# Altium PCB PCB_3U_DDS.PcbDoc (part 8 of 12)
Units mil, origin at the board's own origin, x right, y up, seen from the top; angles counter-clockwise.
Board outline 6338.37 x 3937 mil, 6 copper layers (L1, P2, L3, L4, P5, L6), stack 64.885 mil thick; 954 components, 537 nets, 3358 pads, 2342 vias.
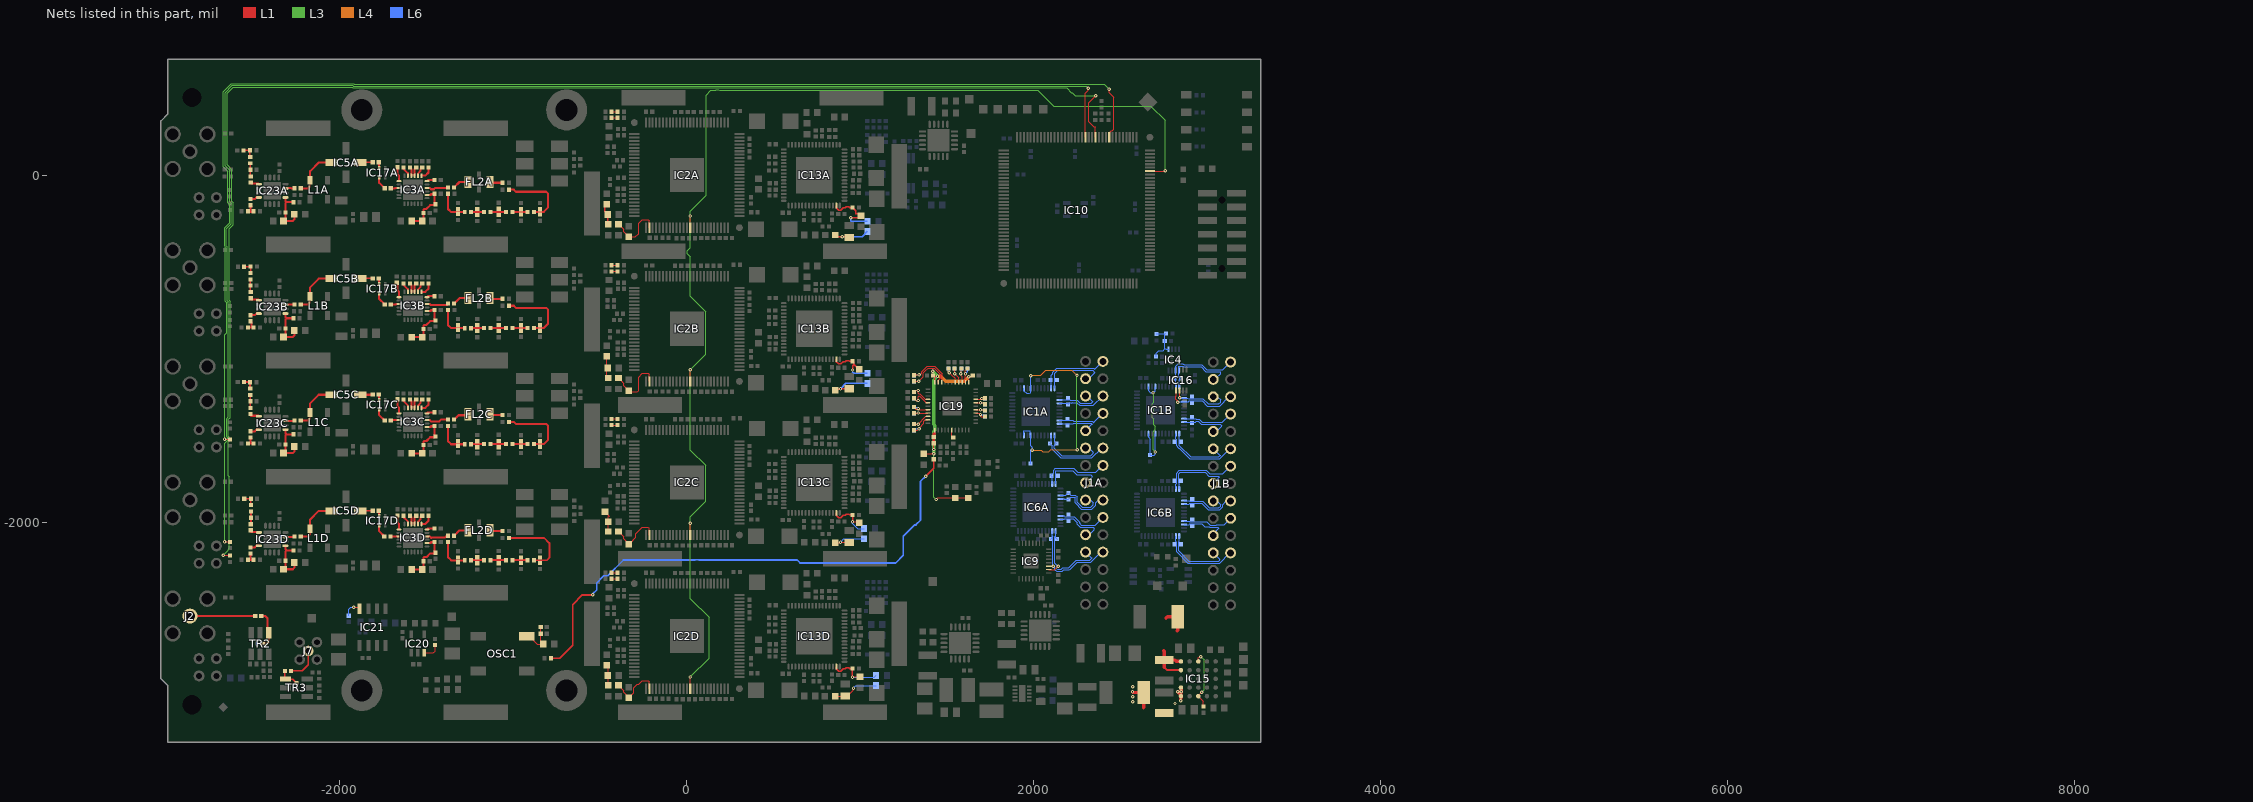
[diagram p12: the nets of this part, all layers, seen from the top]

## Via types
v1: diameter 19.68, hole 7.87, L1 to L6, tented both sides, 2254 vias
v2: diameter 23.62, hole 11.81, L1 to L6, tented both sides, 88 vias

## Nets (pads, with @x,y where several pads share a name; then routed paths per layer and width w, separated by ;. In a path a pad name is that pad's centre, name@x,y a point inside that pad or via, vN(x,y) a via of type N, cw(c..) or ccw(c..) an arc to the next point about the centre after c; other vN are vias at no path point) (continued)
LED5: IC10.117 R44.1 | length 7513.4
  L1 w5: v1(-2664.98,-1521.76) -2635.04,-1521.76 R44.1@-2633.86,-1522.94 ; v1(2433.86,496.17) 2435.04,494.99 2435.04,474.13 2460.7,448.47 2460.7,264.88 2451.26,255.43 2445.71,255.43 2435.04,244.76 IC10.117@2435.04,218.4
  L3 w5: v1(-2664.98,-1521.76) -2663.8,-1520.57 -2663.8,-1098.54 -2664.8,-1097.53 -2664.8,-920.81 -2652.81,-908.82 -2652.81,-734.9 -2660.83,-726.88 -2660.83,-414.51 -2664.8,-410.54 -2664.8,-304.22 -2635.89,-275.3 -2635.89,-167.71 -2645.83,-157.77 -2645.83,23.11 -2672.19,49.47 -2672.19,480.83 -2625.22,527.79 -1920.7,527.79 -1917.35,524.45 1.14,524.45 34.55,524.47 2405.59,524.45 v1(2433.86,496.17)
LED6: IC10.121 R25.1 | length 8072.5
  L1 w5: v1(-2673.23,-2191.05) -2672.05,-2192.23 R25.1@-2633.86,-2192.23 ; IC10.121@2356.3,218.4 2355.53,219.17 2355.53,276.76 2354.64,277.66 2346.82,277.66 2316,308.47 2316,416.39 v1(2356.44,456.83)
  L3 w5: v1(-2673.23,-2191.05) -2644.96,-2162.78 -2644.96,-2158.62 -2636.8,-2150.46 -2636.8,-1739.53 -2642.84,-1733.49 -2642.84,-1538.28 -2637.64,-1533.08 -2637.64,-1510.43 -2642.84,-1505.23 -2642.84,-1408.48 -2632.81,-1398.46 -2632.81,-726.61 -2638.86,-720.57 -2638.86,-309.8 -2615.89,-286.82 -2615.89,-159.43 -2623.86,-151.45 -2623.86,32.21 -2650.22,58.57 -2650.22,471.73 -2616.12,505.82 -1929.8,505.82 -1926.45,502.48 10.24,502.48 25.45,502.5 166.1,502.48 2189.51,502.5 2217.23,474.78 2222.07,474.78 2240.02,456.83 v1(2356.44,456.83)
LED7: IC10.124 R26.1 | length 7951.7
  L1 w5: v1(-2664.98,-2112.31) -2635.04,-2112.31 R26.1@-2633.86,-2113.49 ; IC10.124@2297.24,218.4 2297.24,473.56 2312.99,489.3 v1(2312.99,501.97)
  L3 w5: v1(-2664.98,-2112.31) -2664.98,-1546.28 -2647.64,-1528.94 -2647.64,-1514.57 -2652.84,-1509.37 -2652.84,-1402.95 -2642.81,-1392.93 -2642.81,-730.75 -2649.85,-723.72 -2649.85,-409.96 -2653.82,-405.99 -2653.82,-308.77 -2625.89,-280.84 -2625.89,-163.57 -2634.85,-154.61 -2634.85,27.66 -2661.2,54.02 -2661.2,476.28 -2620.67,516.81 -1925.25,516.81 -1921.9,513.46 5.69,513.46 ; 5.72,513.48 30,513.48 ; 30.02,513.46 2301.49,513.46 v1(2312.99,501.97)
LOOP_FILTER1A: C112A.2 IC2A.2 R90A.2 | length 330.9
  L1 w5: R90A.2@-393.7,-283.46 -364.17,-312.99 -364.17,-326.77 C112A.2@-334.65,-356.3 ; C112A.2@-329.72,-351.38 -324.8,-356.3 -297.24,-356.3 -277.62,-336.68 -277.62,-278.65 -255.97,-256.99 -221.46,-256.99 -216.54,-261.91 IC2A.2@-216.54,-303.15
LOOP_FILTER1B: C112B.2 IC2B.2 R90B.2 | length 354.6
  L1 w5: R90B.2@-393.7,-1169.29 -370.42,-1192.58 -372.39,-1192.58 -364.17,-1200.79 -364.17,-1212.6 C112B.2@-334.65,-1242.13 -326.77,-1250 -285.43,-1250 -277.62,-1242.19 -277.62,-1164.47 -255.97,-1142.82 -221.46,-1142.82 -216.54,-1147.74 IC2B.2@-216.54,-1188.98
LOOP_FILTER1C: C112C.2 IC2C.2 R90C.2 | length 314.7
  L1 w5: R90C.2@-393.7,-2055.12 -364.17,-2084.65 -364.17,-2096.46 -334.65,-2125.98 C112C.2@-334.65,-2127.95 -310.38,-2103.68 -312.35,-2103.68 -295.28,-2086.61 -295.28,-2067.95 -255.97,-2028.65 -221.46,-2028.65 -216.54,-2033.57 IC2C.2@-216.54,-2074.8
LOOP_FILTER1D: C112D.2 IC2D.2 R90D.2 | length 311.5
  L1 w5: R90D.2@-383.86,-2942.91 -383.86,-2952.76 -364.17,-2972.44 -364.17,-2982.28 -334.65,-3011.81 C112D.2@-334.65,-3013.78 -305.12,-2984.25 -305.12,-2954.06 -287.18,-2936.13 -277.62,-2936.13 -255.97,-2914.47 -221.46,-2914.47 -216.54,-2919.39 IC2D.2@-216.54,-2960.63
LOOP_FILTERA: C30A.2 IC13A.31 R89A.1 R140A.2 | length 385.2
  L1 w8: IC13A.31@861.81,-175.2 861.81,-188.98 874.75,-201.91 888.08,-201.91 900.81,-189.18 911.89,-189.18 917.79,-183.28 936.61,-183.28 936.61,-187.11 R89A.1@955.91,-187.11 972.89,-204.1 972.89,-221.34 972.12,-222.12 991.8,-222.12 C30A.2@1003.94,-234.25 1003.94,-236.22 994.09,-246.06 v1(944.88,-246.06)
  L6 w8: v1(944.88,-246.06) 944.88,-265.75 R140A.2@1041.34,-265.75
LOOP_FILTERB: C30B.2 IC13B.31 R89B.1 R140B.2 | length 315.1
  L1 w8: IC13B.31@861.81,-1061.02 861.81,-1074.8 874.75,-1087.74 888.08,-1087.74 900.81,-1075.01 911.89,-1075.01 917.79,-1069.11 936.61,-1069.11 936.61,-1072.94 R89B.1@955.91,-1072.94 962,-1079.03 962,-1091.05 ; v1(955,-1123) 956,-1122 956,-1100 962,-1094 962,-1091.05 ; C30B.2@994.09,-1120.08 991.03,-1120.08 962,-1091.05
  L6 w8: v1@954.72,-1131.89 964.57,-1141.73 R140B.2@1041.34,-1141.73
LOOP_FILTERC: C30C.2 IC13C.31 R89C.1 R140C.2 | length 283
  L1 w6: v1(954.72,-1998.03) 976.38,-1998.03 C30C.2@984.25,-2005.91
  L1 w8: IC13C.31@861.81,-1946.85 861.81,-1960.63 874.75,-1973.57 888.08,-1973.57 900.81,-1960.83 911.89,-1960.83 917.79,-1954.94 936.61,-1954.94 936.61,-1958.76 R89C.1@955.91,-1958.76 v1@955.91,-1995.18
  L6 w6: v1(954.72,-1998.03) 954.72,-2007.87 984.25,-2037.4 R140C.2@1021.65,-2037.4
LOOP_FILTERD: C30D.2 IC13D.31 R89D.1 R140D.2 | length 344.6
  L1 w6: v1(954.72,-2893.7) 956.69,-2891.73 C30D.2@984.25,-2891.73
  L1 w8: IC13D.31@861.81,-2832.68 861.81,-2846.46 874.75,-2859.39 888.08,-2859.39 900.81,-2846.66 911.89,-2846.66 917.79,-2840.76 936.61,-2840.76 936.61,-2844.59 R89D.1@955.91,-2844.59 954.72,-2845.77 v1(954.72,-2893.7)
  L6 w6: v1(954.72,-2893.7) 1080.71,-2893.7 R140D.2@1090.55,-2883.86
LVDS0A_N: IC1A.48 J1A.3 R7A.2 | length 399.3
  L6 w6: IC1A.48@2120.08,-1228.45 2120.08,-1181.2 2120.08,-1145.72 2120.17,-1145.62 2120.17,-1141.83 2137.17,-1124.83 2148.58,-1124.83 2148.84,-1124.56 2164.44,-1124.56 2164.7,-1124.83 2275.61,-1124.83 2276.57,-1125.78 2339.81,-1125.78 2351.82,-1137.79 2351.87,-1137.79 2316.36,-1173.3 J1A.3@2298.31,-1173.3
LVDS0A_P: IC1A.47 J1A.2 R7A.1 | length 416.9
  L6 w6: IC1A.47@2100.39,-1228.45 2100.39,-1181.2 2100.39,-1153.4 2108.08,-1145.72 2108.08,-1140.75 2108.17,-1140.65 2108.17,-1136.86 2132.2,-1112.83 2143.61,-1112.83 2143.87,-1112.56 2169.41,-1112.56 2169.67,-1112.83 2280.59,-1112.83 2281.54,-1113.78 2344.78,-1113.78 2350.34,-1119.34 2352.27,-1119.34 J1A.2@2398.31,-1073.3
LVDS0B_N: IC1B.48 IC4.5 J1B.3 R7B.2 | length 443.6
  L6 w6: IC1B.48@2838.58,-1218.61 2838.58,-1180.02 R7B.2@2847.24,-1171.36 2836.61,-1160.73 IC4.5@2836.61,-1126.09 2836.61,-1102.68 2858.73,-1102.68 2861.93,-1105.88 2964.5,-1105.88 2989.15,-1130.53 2992.67,-1134.05 3076.38,-1134.05 3076.38,-1144.28 3051.99,-1168.67 3041.76,-1168.67 3041.76,-1170.55 J1B.3@3034.65,-1177.66
LVDS0B_P: IC1B.47 IC4.6 J1B.2 R7B.1 | length 480.7
  L6 w6: IC1B.47@2818.9,-1218.61 2818.9,-1180.02 R7B.1@2810.24,-1171.36 2816.93,-1164.67 IC4.6@2816.93,-1126.09 2816.93,-1101.19 2831.64,-1086.48 2841.58,-1086.48 2841.92,-1086.82 2858.43,-1086.82 2862.29,-1090.68 2863.7,-1090.68 2866.9,-1093.88 2969.47,-1093.88 2997.64,-1122.05 3090.26,-1122.05 J1B.2@3134.65,-1077.66
LVDS1A_N: IC1A.4 J1A.6 R9A.2 | length 299.7
  L6 w6: IC1A.4@2147.64,-1315.06 2197.3,-1315.06 R9A.2@2204.05,-1315.06 ; R9A.2@2197.3,-1321.81 R9A.2@2204.05,-1315.06 ; 2217.98,-1315.06 2222.22,-1310.83 ; 2223.74,-1309.3 2222.22,-1310.83 ; J1A.6@2398.31,-1273.3 2343.78,-1327.83 2263.86,-1327.83 2246.86,-1310.83 2222.22,-1310.83 ; R9A.2@2204.05,-1315.06 2208.28,-1310.83 2222.22,-1310.83
LVDS1A_P: IC1A.3 J1A.5 R9A.1 | length 263.2
  L6 w6: IC1A.3@2147.64,-1295.38 2197.3,-1295.38 2207.88,-1295.38 2211.33,-1298.83 2217.24,-1298.83 2218.77,-1297.3 2240.6,-1297.3 2242.13,-1298.83 2251.83,-1298.83 2268.83,-1315.83 2331.83,-1315.83 2340.87,-1306.79 2307.39,-1273.3 J1A.5@2298.31,-1273.3
LVDS1B_N: IC1B.4 IC16.5 J1B.6 R9B.2 | length 424.6
  L1 w6: IC16.5@2820.47,-1242.13 2820.47,-1273.91 2818.81,-1275.56 2818.81,-1291.17 2832.99,-1305.35 2836.69,-1309.05 v1(2829.29,-1309.05)
  L6 w6: v1(2829.29,-1309.05) 2830.31,-1309.05 2834.14,-1305.22 IC1B.4@2866.14,-1305.22 2892.87,-1305.22 ; 2892.87,-1303.79 2895.28,-1301.38 2912.4,-1301.38 2970.28,-1301.38 2999.8,-1330.9 3071.51,-1330.9 3124.74,-1277.66 J1B.6@3134.65,-1277.66
LVDS1B_P: IC1B.3 IC16.6 J1B.5 R9B.1 | length 366.6
  L1 w6: v1@2840.16,-1285.48 2840.16,-1284.18 IC16.6@2840.16,-1242.13
  L6 w6: v1(2840.74,-1284.18) 2838.91,-1284.18 2837.55,-1285.54 2840.74,-1285.54 IC1B.3@2866.14,-1285.54 2888.87,-1285.54 2892.72,-1289.38 2912.4,-1289.38 2975.25,-1289.38 3004.77,-1318.9 3066.54,-1318.9 3076.38,-1309.06 3076.38,-1295.29 3058.75,-1277.66 J1B.5@3034.65,-1277.66
LVDS2A_N: IC1A.10 J1A.9 R11A.2 | length 248.8
  L6 w6: IC1A.10@2147.64,-1433.17 2194.88,-1433.17 2227.61,-1433.17 2230.46,-1430.32 2331.35,-1430.32 2337.86,-1436.83 2334.78,-1436.83 J1A.9@2298.31,-1473.3
LVDS2A_P: IC1A.9 J1A.8 R11A.1 | length 281.4
  L6 w6: IC1A.9@2147.64,-1413.49 2194.88,-1413.49 2225.64,-1413.49 2230.46,-1418.32 2336.32,-1418.32 2346.34,-1428.34 2346.34,-1425.26 J1A.8@2398.31,-1373.3
LVDS2B_N: IC1B.10 J1B.9 R11B.2 | length 294.4
  L6 w6: IC1B.10@2866.14,-1423.33 2911.42,-1423.33 2933.33,-1423.33 2936.87,-1419.79 ; 2936.87,-1419.49 2948.43,-1419.49 2965.94,-1437.01 3075.3,-1437.01 3083.87,-1445.58 3083.87,-1448.79 3055,-1477.66 J1B.9@3034.65,-1477.66
LVDS2B_P: IC1B.9 J1B.8 R11B.1 | length 296.7
  L6 w6: IC1B.9@2866.14,-1403.65 2911.42,-1403.65 2934.73,-1403.65 2937.87,-1406.79 ; 2937.87,-1407.49 2953.4,-1407.49 2970.92,-1425.01 3087.3,-1425.01 J1B.8@3134.65,-1377.66
LVDS3A_N: IC1A.14 J1A.12 R13A.2 | length 424.7
  L6 w6: IC1A.14@2100.39,-1500.1 2100.39,-1538.69 R13A.2@2092.72,-1546.36 2105.22,-1558.87 2105.22,-1578.8 2156.25,-1629.83 2333.83,-1629.83 2390.35,-1573.3 J1A.12@2398.31,-1573.3
LVDS3A_P: IC1A.13 J1A.11 R13A.1 | length 394.7
  L6 w6: IC1A.13@2120.08,-1500.1 2120.08,-1536.72 R13A.1@2129.72,-1546.36 2117.22,-1558.87 2117.22,-1573.83 2161.22,-1617.83 2328.86,-1617.83 2343.86,-1602.83 2343.86,-1597.77 2319.39,-1573.3 J1A.11@2298.31,-1573.3
LVDS3B_N: IC1B.14 J1B.12 R13B.2 | length 439.3
  L6 w6: IC1B.14@2818.9,-1490.26 2818.9,-1518.85 2822.74,-1522.69 2822.74,-1537.5 2822.74,-1560.09 2829.87,-1567.22 2829.87,-1567.76 2836.9,-1574.79 2837.44,-1574.79 2898.67,-1636.02 3071.51,-1636.02 3129.86,-1577.66 J1B.12@3134.65,-1577.66
LVDS3B_P: IC1B.13 J1B.11 R13B.1 | length 394.4
  L6 w6: IC1B.13@2838.58,-1490.26 2838.58,-1537.5 2838.58,-1558.96 2903.64,-1624.02 3066.54,-1624.02 3076.38,-1614.17 3071.16,-1614.17 J1B.11@3034.65,-1577.66
LVDS4A_N: IC6A.48 J1A.15 R16A.2 | length 360.3
  L6 w6: IC6A.48@2125.98,-1779.63 2125.98,-1732.39 2125.98,-1705.92 2126.99,-1704.92 2129.08,-1702.83 2224.86,-1702.83 2247.86,-1725.83 2328.91,-1725.83 2337.87,-1734.79 2337.87,-1742.79 2307.36,-1773.3 J1A.15@2298.31,-1773.3
LVDS4A_P: IC6A.47 J1A.14 R16A.1 | length 400.8
  L6 w6: IC6A.47@2106.3,-1779.63 2106.3,-1751.04 2106,-1751.04 2106,-1736.81 R16A.1@2101.57,-1732.39 2101.57,-1727.09 2113.98,-1714.68 2113.98,-1700.95 2114.08,-1700.86 2124.11,-1690.83 2229.83,-1690.83 2252.83,-1713.83 2357.78,-1713.83 J1A.14@2398.31,-1673.3
LVDS4B_N: IC6B.48 J1B.15 R16B.2 | length 395
  L6 w6: IC6B.48@2838.58,-1809.16 2838.58,-1780.57 2834.74,-1776.72 2834.74,-1761.91 2834.74,-1722.44 2844.58,-1712.6 2987.8,-1712.6 3009.64,-1734.44 3067.18,-1734.44 3072.52,-1739.79 J1B.15@3034.65,-1777.66
LVDS4B_P: IC6B.47 J1B.14 R16B.1 | length 439.8
  L6 w6: IC6B.47@2818.9,-1809.16 2818.9,-1780.57 2822.74,-1776.72 2822.74,-1761.91 2822.74,-1717.47 2839.61,-1700.6 2992.77,-1700.6 3014.61,-1722.44 3089.87,-1722.44 J1B.14@3134.65,-1677.66
LVDS5A_N: IC6A.4 J1A.18 R21A.2 | length 335.7
  L6 w6: IC6A.4@2153.54,-1866.24 2182.13,-1866.24 2179.38,-1869 ; 2176.72,-1869 2179.38,-1869 ; J1A.18@2398.31,-1873.3 2372.38,-1873.3 2355.86,-1889.83 2355.86,-1903.8 2333.83,-1925.83 2273.89,-1925.83 2237.86,-1889.8 2237.86,-1859.5 2234.86,-1856.5 2212.31,-1856.5 R21A.2@2199.8,-1869 2179.38,-1869
LVDS5A_P: IC6A.3 J1A.17 R21A.1 | length 315.6
  L6 w6: IC6A.3@2153.54,-1846.56 2185.24,-1846.56 R21A.1@2199.8,-1831.99 2212.31,-1844.5 2239.83,-1844.5 2249.86,-1854.53 2249.86,-1884.83 2278.86,-1913.83 2328.86,-1913.83 2343.86,-1898.83 2343.86,-1889.83 2327.33,-1873.3 J1A.17@2298.31,-1873.3
LVDS5B_N: IC6B.4 J1B.18 R21B.2 | length 314.2
  L6 w6: IC6B.4@2866.14,-1895.77 2894.73,-1895.77 2898.57,-1891.93 2913.39,-1891.93 2968.11,-1891.93 3005.31,-1929.13 3071.51,-1929.13 3088.38,-1912.26 3088.38,-1899.61 3110.32,-1877.66 J1B.18@3134.65,-1877.66
LVDS5B_P: IC6B.3 J1B.17 R21B.1 | length 289.8
  L6 w6: IC6B.3@2866.14,-1876.09 2894.73,-1876.09 2898.57,-1879.93 2913.39,-1879.93 2973.08,-1879.93 3010.29,-1917.13 3066.54,-1917.13 3076.38,-1907.29 3076.38,-1899.61 3054.43,-1877.66 J1B.17@3034.65,-1877.66
LVDS6A_N: IC6A.10 J1A.21 R24A.2 | length 296
  L6 w6: IC6A.10@2153.54,-1984.35 2175.31,-1984.35 2179.15,-1980.51 2199.8,-1980.51 2227.86,-1980.51 2251.86,-2004.51 2251.86,-2011.8 2268.89,-2028.83 2342.91,-2028.83 2348.87,-2034.79 2348.87,-2044.79 2320.36,-2073.3 J1A.21@2298.31,-2073.3
LVDS6A_P: IC6A.9 J1A.20 R24A.1 | length 288.7
  L6 w6: IC6A.9@2153.54,-1964.67 2174.76,-1964.67 2178.6,-1968.51 2199.8,-1968.51 2232.83,-1968.51 2263.86,-1999.54 2263.86,-2006.83 2273.86,-2016.83 2354.78,-2016.83 J1A.20@2398.31,-1973.3
LVDS6B_N: IC6B.10 J1B.21 R24B.2 | length 268.7
  L6 w6: IC6B.10@2866.14,-2013.88 2894.73,-2013.88 2898.57,-2010.04 2913.39,-2010.04 2968.11,-2010.04 2985.63,-2027.56 3010.33,-2027.56 3012.91,-2030.14 3061.23,-2030.14 3067.51,-2036.43 3034.65,-2069.29 J1B.21@3034.65,-2077.66
LVDS6B_P: IC6B.9 J1B.20 R24B.1 | length 295.2
  L6 w6: IC6B.9@2866.14,-1994.2 2894.73,-1994.2 2898.57,-1998.04 2913.39,-1998.04 2997.78,-1998.04 3017.88,-2018.14 3051.42,-2018.14 3054,-2015.56 3096.75,-2015.56 J1B.20@3134.65,-1977.66
LVDS7A_N: IC6A.14 IC9.11 J1A.24 R35A.2 | length 599.3
  L1 w6: IC9.11@2086.22,-2253.94 v1(2111.81,-2253.94)
  L6 w6: R35A.2@2097.64,-2097.54 2106.3,-2088.88 2106.3,-2079.87 ; IC6A.14@2106.3,-2051.28 2106.3,-2079.87 ; v1@2110.14,-2249.55 2110.14,-2097.54 2110.14,-2083.72 2106.3,-2079.87 ; v1@2113.17,-2252.58 2120.87,-2260.29 2120.87,-2273.76 2131.9,-2284.79 2162.84,-2284.79 2171.85,-2275.78 2205.65,-2275.78 2209.17,-2272.26 2249.61,-2231.83 2328.83,-2231.83 2387.35,-2173.3 J1A.24@2398.31,-2173.3
LVDS7A_P: IC6A.13 IC9.10 J1A.23 R35A.1 | length 593.7
  L1 w6: IC9.10@2086.22,-2273.62 2121.65,-2273.62 v1(2141.34,-2253.94)
  L6 w6: IC6A.13@2125.98,-2051.28 2125.98,-2079.87 ; R35A.1@2134.65,-2097.54 2125.98,-2088.88 2125.98,-2079.87 ; v1@2135.87,-2258.79 2132.87,-2261.79 2132.87,-2268.79 2136.87,-2272.79 2157.87,-2272.79 2166.88,-2263.78 2200.68,-2263.78 2244.64,-2219.83 2323.86,-2219.83 2337.86,-2205.83 2330.83,-2205.83 J1A.23@2298.31,-2173.3 ; v1@2138.09,-2253.57 2122.14,-2237.62 2122.14,-2097.54 2122.14,-2083.72 2125.98,-2079.87
LVDS7B_N: IC6B.14 J1B.24 R35B.2 | length 454.7
  L6 w6: IC6B.14@2818.9,-2080.81 2818.9,-2109.4 2822.74,-2113.24 2822.74,-2128.24 2822.74,-2170.32 2888.82,-2236.41 3071.51,-2236.41 3130.26,-2177.66 J1B.24@3134.65,-2177.66
LVDS7B_P: IC6B.13 J1B.23 R35B.1 | length 406.5
  L6 w6: IC6B.13@2838.58,-2080.81 2838.58,-2109.4 2834.74,-2113.24 2834.74,-2128.24 2834.74,-2165.35 2893.8,-2224.41 3066.54,-2224.41 3071.56,-2219.39 3071.56,-2214.57 J1B.23@3034.65,-2177.66
MASTER_RESET: IC2A.14 IC2B.14 IC2C.14 IC2D.14 IC10.102 | length 7034
  L1 w5.98: IC2D.14@19.69,-2960.63 v1(19.69,-2892.82) ; IC2C.14@19.69,-2074.8 v1(19.69,-2006.99) ; IC2B.14@19.69,-1188.98 v1(19.69,-1121.17) ; IC2A.14@19.69,-303.15 v1(19.69,-235.34) ; IC10.102@2669.29,23.52 2754.52,23.52 v1(2757,26)
  L3 w5.98: v1(19.69,-2892.82) 127.95,-2784.55 127.95,-2549.21 19.69,-2440.94 v1(19.69,-2006.99) 19.69,-1968.5 108.27,-1879.92 108.27,-1673.23 19.95,-1584.91 19.95,-1121.43 v1(19.69,-1121.17) 108.27,-1032.58 108.27,-787.4 19.69,-698.82 19.69,-470.06 1.99,-452.36 1.99,-436.77 19.69,-419.08 v1(19.69,-235.34) 19.69,-208.32 113,-115 113,462 139,488 166.46,488 170.47,492.01 185.25,492.01 189.25,488 224,488 225,489 2024,489 2084.02,428.98 2084.02,428.79 2114.81,398 2675,398 2757,316 v1(2757,26)
  L4 w5.98: v1(19.69,-1121.17) v1@28.83,-1121.17
NetC1_2: C1.2 IC4.1 R32.1 R36.1 R39.2 | length 251
  L6 w5.98: R32.1@2704.72,-1046.56 2704.72,-1027.27 2719.49,-1012.5 2745.47,-1012.5 2755.91,-1002.07 ; R36.1@2706.69,-915.65 R39.2@2758.86,-915.65 ; R39.2@2762.01,-912.5 R39.2@2758.86,-915.65 ; IC4.1@2777.56,-1004.04 2763.78,-1004.04 2763.78,-1003.06 2764.76,-1002.07 2755.91,-1002.07 ; 2755.91,-1002.07 2755.91,-956.8 C1.2@2754.92,-955.81 2754.92,-919.59 R39.2@2758.86,-915.65
NetC14A_2: C14A.2 IC3A.6 | length 45.8
  L1 w11.81: IC3A.6@-1498.03,-34.55 -1492.13,-28.65 C14A.2@-1454.72,-28.65
NetC14B_2: C14B.2 IC3B.6 | length 45.8
  L1 w11.81: IC3B.6@-1498.03,-703.84 -1492.13,-697.94 C14B.2@-1454.72,-697.94
NetC14C_2: C14C.2 IC3C.6 | length 45.8
  L1 w11.81: IC3C.6@-1498.03,-1373.13 -1492.13,-1367.23 C14C.2@-1454.72,-1367.23
NetC14D_2: C14D.2 IC3D.6 | length 45.8
  L1 w11.81: IC3D.6@-1498.03,-2042.43 -1492.13,-2036.52 C14D.2@-1454.72,-2036.52
NetC15A_2: C15A.2 IC3A.7 | length 77.2
  L1 w11.81: IC3A.7@-1529.53,-3.06 -1507.87,-3.06 -1489.32,15.5 C15A.2@-1489.32,44.76
NetC15B_2: C15B.2 IC3B.7 | length 77.2
  L1 w11.81: IC3B.7@-1529.53,-672.35 -1507.87,-672.35 -1489.32,-653.79 C15B.2@-1489.32,-624.53
NetC15C_2: C15C.2 IC3C.7 | length 77.2
  L1 w11.81: IC3C.7@-1529.53,-1341.64 -1507.87,-1341.64 -1489.32,-1323.08 C15C.2@-1489.32,-1293.82
NetC15D_2: C15D.2 IC3D.7 | length 77.2
  L1 w11.81: IC3D.7@-1529.53,-2010.93 -1507.87,-2010.93 -1489.32,-1992.37 C15D.2@-1489.32,-1963.11
NetC16A_2: C16A.2 IC3A.8 | length 58.5
  L1 w11.81: IC3A.8@-1549.21,-3.06 -1549.21,10.72 -1536.09,23.85 -1536.09,34.35 -1525.67,44.76 C16A.2@-1524.75,44.76
NetC16B_2: C16B.2 IC3B.8 | length 58.5
  L1 w11.81: IC3B.8@-1549.21,-672.35 -1549.21,-658.57 -1536.09,-645.44 -1536.09,-634.95 -1525.67,-624.53 C16B.2@-1524.75,-624.53
NetC16C_2: C16C.2 IC3C.8 | length 58.5
  L1 w11.81: IC3C.8@-1549.21,-1341.64 -1549.21,-1327.86 -1536.09,-1314.73 -1536.09,-1304.24 -1525.67,-1293.82 C16C.2@-1524.75,-1293.82
NetC16D_2: C16D.2 IC3D.8 | length 58.5
  L1 w11.81: IC3D.8@-1549.21,-2010.93 -1549.21,-1997.15 -1536.09,-1984.03 -1536.09,-1973.53 -1525.67,-1963.11 C16D.2@-1524.75,-1963.11
NetC17A_2: C17A.2 IC3A.9 | length 51.4
  L1 w11.81: IC3A.9@-1568.9,-3.06 -1568.9,36.05 C17A.2@-1560.18,44.76
NetC17B_2: C17B.2 IC3B.9 | length 51.4
  L1 w11.81: IC3B.9@-1568.9,-672.35 -1568.9,-633.24 C17B.2@-1560.18,-624.53
NetC17C_2: C17C.2 IC3C.9 | length 51.4
  L1 w11.81: IC3C.9@-1568.9,-1341.64 -1568.9,-1302.54 C17C.2@-1560.18,-1293.82
NetC17D_2: C17D.2 IC3D.9 | length 51.4
  L1 w11.81: IC3D.9@-1568.9,-2010.93 -1568.9,-1971.83 C17D.2@-1560.18,-1963.11
NetC18A_2: C18A.2 IC3A.10 | length 51.1
  L1 w11.81: C18A.2@-1596.6,44.76 -1588.58,36.74 IC3A.10@-1588.58,-3.06
NetC18B_2: C18B.2 IC3B.10 | length 51.1
  L1 w11.81: C18B.2@-1596.6,-624.53 -1588.58,-632.55 IC3B.10@-1588.58,-672.35
NetC18C_2: C18C.2 IC3C.10 | length 51.1
  L1 w11.81: C18C.2@-1596.6,-1293.82 -1588.58,-1301.84 IC3C.10@-1588.58,-1341.64
NetC18D_2: C18D.2 IC3D.10 | length 51.1
  L1 w11.81: C18D.2@-1596.6,-1963.11 -1588.58,-1971.13 IC3D.10@-1588.58,-2010.93
NetC19A_2: C19A.2 IC3A.11 | length 58.6
  L1 w11.81: C19A.2@-1634,44.76 -1634,37.38 -1633.71,37.38 -1608.27,11.93 IC3A.11@-1608.27,-3.06
NetC19B_2: C19B.2 IC3B.11 | length 58.6
  L1 w11.81: C19B.2@-1634,-624.53 -1634,-631.91 -1633.71,-631.91 -1608.27,-657.36 IC3B.11@-1608.27,-672.35
NetC19C_2: C19C.2 IC3C.11 | length 58.6
  L1 w11.81: C19C.2@-1634,-1293.82 -1634,-1301.2 -1633.71,-1301.2 -1608.27,-1326.65 IC3C.11@-1608.27,-1341.64
NetC19D_2: C19D.2 IC3D.11 | length 58.6
  L1 w11.81: C19D.2@-1634,-1963.11 -1634,-1970.5 -1633.71,-1970.5 -1608.27,-1995.94 IC3D.11@-1608.27,-2010.93
NetC20A_2: C20A.2 IC3A.13 | length 84
  L1 w11.81: C20A.2@-1667.32,46.16 -1667.32,4.82 -1659.45,-3.06 IC3A.13@-1659.45,-34.55
NetC20B_2: C20B.2 IC3B.13 | length 84
  L1 w11.81: C20B.2@-1667.32,-623.13 -1667.32,-664.47 -1659.45,-672.35 IC3B.13@-1659.45,-703.84
NetC20C_2: C20C.2 IC3C.13 | length 84
  L1 w11.81: C20C.2@-1667.32,-1292.43 -1667.32,-1333.76 -1659.45,-1341.64 IC3C.13@-1659.45,-1373.13
NetC20D_2: C20D.2 IC3D.13 | length 84
  L1 w11.81: C20D.2@-1667.32,-1961.72 -1667.32,-2003.06 -1659.45,-2010.93 IC3D.13@-1659.45,-2042.43
NetC21A_2: C21A.2 C22A.2 C23A.2 C24A.2 IC3A.2 L7A.2 | length 324.6
  L1 w11.81: L7A.2@-1586.61,-264.87 C21A.2@-1525.59,-264.87 -1517.72,-256.99 C23A.2@-1517.72,-217.62 -1517.72,-197.54 -1514.26,-194.09 -1500.85,-194.09 -1479.18,-172.43 -1452.83,-172.43 C22A.2@-1448.82,-168.41 -1454.72,-162.5 C24A.2@-1454.72,-107.39 -1474.8,-107.39 -1474.8,-112.2 -1475.89,-113.29 IC3A.2@-1498.03,-113.29
NetC21B_2: C21B.2 C22B.2 C23B.2 C24B.2 IC3B.2 L7B.2 | length 324.6
  L1 w11.81: L7B.2@-1586.61,-934.16 C21B.2@-1525.59,-934.16 -1517.72,-926.28 C23B.2@-1517.72,-886.91 -1517.72,-866.83 -1514.26,-863.38 -1500.85,-863.38 -1479.18,-841.72 -1452.83,-841.72 C22B.2@-1448.82,-837.7 -1454.72,-831.8 C24B.2@-1454.72,-776.68 -1474.8,-776.68 -1474.8,-781.49 -1475.89,-782.58 IC3B.2@-1498.03,-782.58
NetC21C_2: C21C.2 C22C.2 C23C.2 C24C.2 IC3C.2 L7C.2 | length 324.6
  L1 w11.81: L7C.2@-1586.61,-1603.45 C21C.2@-1525.59,-1603.45 -1517.72,-1595.57 C23C.2@-1517.72,-1556.2 -1517.72,-1536.13 -1514.26,-1532.67 -1500.85,-1532.67 -1479.18,-1511.01 -1452.83,-1511.01 C22C.2@-1448.82,-1506.99 -1454.72,-1501.09 C24C.2@-1454.72,-1445.97 -1474.8,-1445.97 -1474.8,-1450.79 -1475.89,-1451.87 IC3C.2@-1498.03,-1451.87
NetC21D_2: C21D.2 C22D.2 C23D.2 C24D.2 IC3D.2 L7D.2 | length 324.6
  L1 w11.81: L7D.2@-1586.61,-2272.74 C21D.2@-1525.59,-2272.74 -1517.72,-2264.87 C23D.2@-1517.72,-2225.5 -1517.72,-2205.42 -1514.26,-2201.96 -1500.85,-2201.96 -1479.18,-2180.3 -1452.83,-2180.3 C22D.2@-1448.82,-2176.28 -1454.72,-2170.38 C24D.2@-1454.72,-2115.26 -1474.8,-2115.26 -1474.8,-2120.08 -1475.89,-2121.17 IC3D.2@-1498.03,-2121.17
NetC26A_2: C26A.2 R41A.1 | length 34.6
  L1 w5: C26A.2@-434.25,366.04 R41A.1@-399.61,366.04
NetC26B_2: C26B.2 R41B.1 | length 34.6
  L1 w5: C26B.2@-434.25,-519.79 R41B.1@-399.61,-519.79